# Altium PCB Main_PCB.PcbDoc (part 7 of 13) (continued)
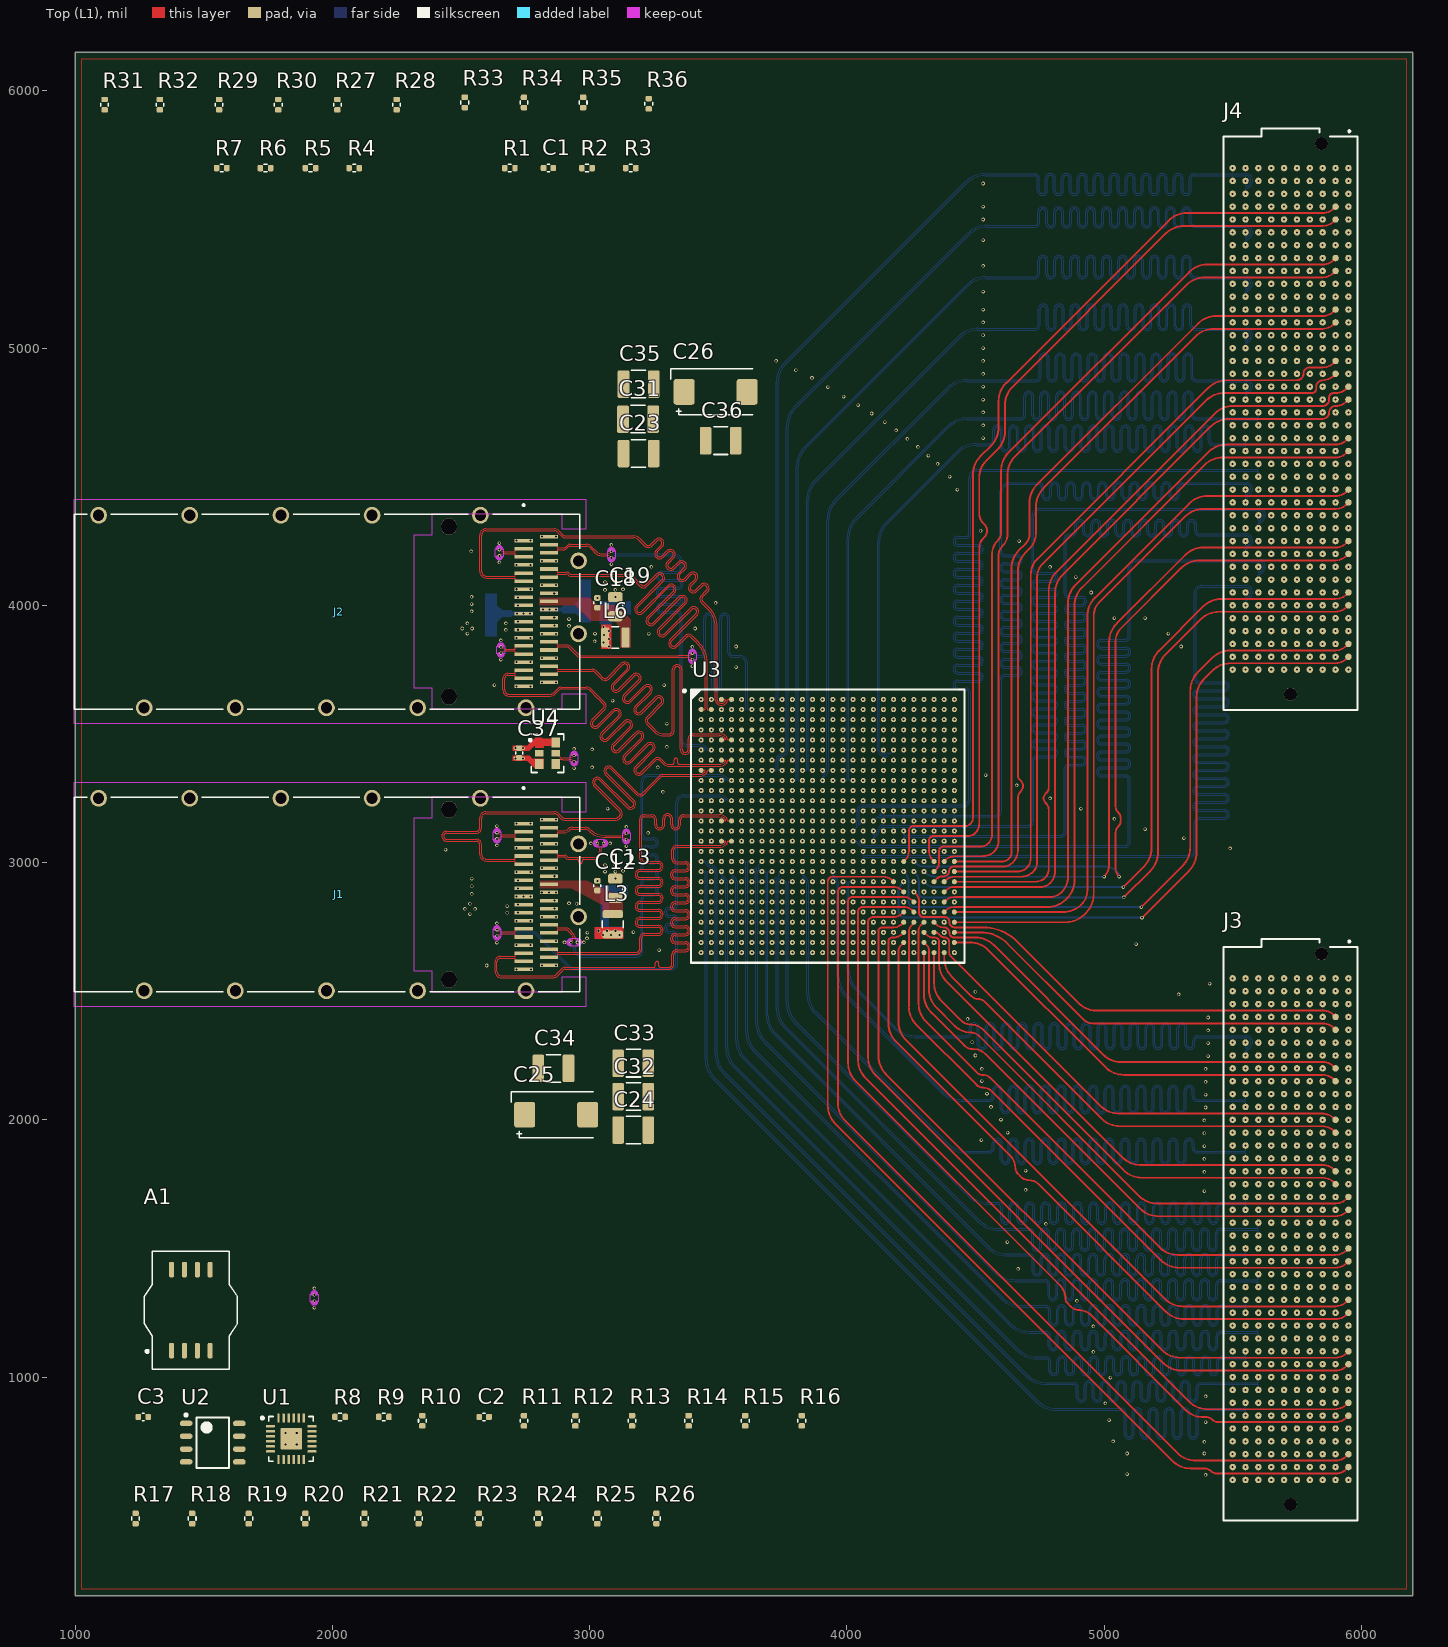
[diagram p0: Top (L1) view]
## Nets (pads, with @x,y where several pads share a name; then routed paths per layer and width w, separated by ;. In a path a pad name is that pad's centre, name@x,y a point inside that pad or via, vN(x,y) a via of type N, cw(c..) or ccw(c..) an arc to the next point about the centre after c; other vN are vias at no path point) (continued)
HPCC_B_02_N: J4.B25 U3.D20 | length 3974.1
  Int2 (L3) w3.5: 4173.44,3528.57 4166.98,3522.12 ccw(c4169.45,3519.64) 4165.95,3519.64 ccw(c4169.45,3519.64) 4166.98,3517.17 ccw(c4169.45,3519.64) 4169.45,3516.14 v1(4181.89,3516.14) ; 4173.45,3528.58 cw(c4180.5,3521.51) 4180.5,3531.5 4183.39,3531.5 ccw(c4183.39,3552.53) 4198.27,3537.66 4198.34,3537.73 ccw(c4181.06,3555.02) 4205.5,3555.02 4205.5,4389.08 cw(c4305.5,4389.08) 4234.79,4459.79 4266.31,4491.31 cw(c4337.02,4420.6) 4337.02,4520.6 4364,4520.6 4370.15,4520.6 ccw(c4370.15,4541.15) 4390.7,4541.15 4390.7,4593.62 cw(c4402.45,4593.62) 4414.2,4593.62 4414.2,4540.92 ccw(c4434.75,4540.92) 4455.3,4540.92 4455.3,4593.62 cw(c4467.05,4593.62) 4478.8,4593.62 4478.8,4540.92 ccw(c4499.35,4540.92) 4519.9,4540.92 4519.9,4593.62 cw(c4531.65,4593.62) 4543.4,4593.62 4543.4,4540.92 ccw(c4563.95,4540.92) 4584.5,4540.92 4584.5,4593.62 cw(c4596.25,4593.62) 4608,4593.62 4608,4540.92 ccw(c4628.55,4540.92) 4649.1,4540.92 4649.1,4593.62 cw(c4660.85,4593.62) 4672.6,4593.62 4672.6,4540.92 ccw(c4693.15,4540.92) 4713.7,4540.92 4713.7,4593.62 cw(c4725.45,4593.62) 4737.2,4593.62 4737.2,4540.92 ccw(c4757.75,4540.92) 4778.3,4540.92 4778.3,4593.62 cw(c4790.05,4593.62) 4801.8,4593.62 4801.8,4540.92 ccw(c4822.35,4540.92) 4842.9,4540.92 4842.9,4593.62 cw(c4854.65,4593.62) 4866.4,4593.62 4866.4,4540.92 ccw(c4886.95,4540.92) 4907.5,4540.92 4907.5,4593.62 cw(c4919.25,4593.62) 4931,4593.62 4931,4541.15 ccw(c4951.55,4541.15) 4951.55,4520.6 4979,4520.6 5896.5,4520.6 cw(c5896.5,4517.1) 5898.97,4519.57 cw(c5896.5,4517.1) 5900,4517.1 v1(5900,4500)
HPCC_B_02_P: J4.B24 U3.D19 | length 3988.3
  Int2 (L3) w3.5: v1(4142.52,3516.14) 4154.95,3516.14 ccw(c4154.95,3519.64) 4157.43,3517.17 ccw(c4154.95,3519.64) 4158.45,3519.64 ; 4158.45,3519.68 cw(c4169.36,3519.68) 4161.65,3527.39 4168.15,3533.89 cw(c4180.48,3521.56) 4180.48,3539 4183.34,3539 ccw(c4183.34,3552.66) 4193,3543 ccw(c4180.93,3555.07) 4198,3555.07 4198,3655 cw(c4201.14,3658.14) 4196.7,3658.14 4196.7,4389.08 cw(c4305.5,4389.08) 4228.57,4466.01 4260.09,4497.53 cw(c4337.02,4420.6) 4337.02,4529.4 4364,4529.4 4370.15,4529.4 ccw(c4370.15,4541.15) 4381.9,4541.15 4381.9,4593.62 cw(c4402.45,4593.62) 4423,4593.62 4423,4540.92 ccw(c4434.75,4540.92) 4446.5,4540.92 4446.5,4593.62 cw(c4467.05,4593.62) 4487.6,4593.62 4487.6,4540.92 ccw(c4499.35,4540.92) 4511.1,4540.92 4511.1,4593.62 cw(c4531.65,4593.62) 4552.2,4593.62 4552.2,4540.92 ccw(c4563.95,4540.92) 4575.7,4540.92 4575.7,4593.62 cw(c4596.25,4593.62) 4616.8,4593.62 4616.8,4540.92 ccw(c4628.55,4540.92) 4640.3,4540.92 4640.3,4593.62 cw(c4660.85,4593.62) 4681.4,4593.62 4681.4,4540.92 ccw(c4693.15,4540.92) 4704.9,4540.92 4704.9,4593.62 cw(c4725.45,4593.62) 4746,4593.62 4746,4540.92 ccw(c4757.75,4540.92) 4769.5,4540.92 4769.5,4593.62 cw(c4790.05,4593.62) 4810.6,4593.62 4810.6,4540.92 ccw(c4822.35,4540.92) 4834.1,4540.92 4834.1,4593.62 cw(c4854.65,4593.62) 4875.2,4593.62 4875.2,4540.92 ccw(c4886.95,4540.92) 4898.7,4540.92 4898.7,4593.62 cw(c4919.25,4593.62) 4939.8,4593.62 4939.8,4541.15 ccw(c4951.55,4541.15) 4951.55,4529.4 4979,4529.4 5896.5,4529.4 ccw(c5896.5,4532.9) 5898.97,4530.43 ccw(c5896.5,4532.9) 5900,4532.9 v1(5900,4550)
HPCC_B_03_N: J4.B29 U3.K26 | length 3960.6
  Int2 (L3) w3.5: v1(4418.11,3279.92) 4405.68,3279.92 cw(c4405.68,3283.42) 4403.2,3280.95 cw(c4405.68,3283.42) 4402.18,3283.42 cw(c4411.24,3283.42) 4404.83,3289.83 4407,3292 cw(c4414.24,3284.76) 4414.24,3295 4450.03,3295 ccw(c4450.03,3324.97) 4471.22,3303.78 4474.15,3306.71 ccw(c4450.86,3330) 4483.8,3330 4483.8,3651 4483.8,3657.15 ccw(c4463.25,3657.15) 4463.25,3677.7 4438.46,3677.7 cw(c4438.46,3689.45) 4438.46,3701.2 4504.15,3701.2 ccw(c4504.15,3721.75) 4504.15,3742.3 4438.46,3742.3 cw(c4438.46,3754.05) 4438.46,3765.8 4504.15,3765.8 ccw(c4504.15,3786.35) 4504.15,3806.9 4438.46,3806.9 cw(c4438.46,3818.65) 4438.46,3830.4 4504.15,3830.4 ccw(c4504.15,3850.95) 4504.15,3871.5 4438.46,3871.5 cw(c4438.46,3883.25) 4438.46,3895 4504.15,3895 ccw(c4504.15,3915.55) 4504.15,3936.1 4438.46,3936.1 cw(c4438.46,3947.85) 4438.46,3959.6 4504.15,3959.6 ccw(c4504.15,3980.15) 4504.15,4000.7 4438.46,4000.7 cw(c4438.46,4012.45) 4438.46,4024.2 4504.15,4024.2 ccw(c4504.15,4044.75) 4504.15,4065.3 4438.46,4065.3 cw(c4438.46,4077.05) 4438.46,4088.8 4504.15,4088.8 ccw(c4504.15,4109.35) 4504.15,4129.9 4438.46,4129.9 cw(c4438.46,4141.65) 4438.46,4153.4 4504.15,4153.4 ccw(c4504.15,4173.95) 4504.15,4194.5 4438.46,4194.5 cw(c4438.46,4206.25) 4438.46,4218 4463.25,4218 ccw(c4463.25,4238.55) 4483.8,4238.55 4483.8,4261 4483.8,4265.89 cw(c4539.11,4265.89) 4500,4305 cw(c4537.66,4267.34) 4537.66,4320.6 5896.5,4320.6 cw(c5896.5,4317.1) 5898.97,4319.57 cw(c5896.5,4317.1) 5900,4317.1 v1(5900,4300)
HPCC_B_03_P: J4.B28 U3.K25 | length 3972.7
  Int2 (L3) w3.5: v1(4378.74,3279.92) 4391.18,3279.92 ccw(c4391.18,3283.42) 4393.65,3280.95 ccw(c4391.18,3283.42) 4394.68,3283.42 ; 4394.68,3283.46 cw(c4411.14,3283.46) 4399.5,3295.11 4401.71,3297.32 cw(c4414.22,3284.81) 4414.22,3302.5 4435,3302.5 cw(c4438.14,3299.36) 4438.14,3303.8 4450.03,3303.8 ccw(c4450.03,3324.97) 4465,3310 4467.93,3312.93 ccw(c4450.86,3330) 4475,3330 4475,3651 4475,3657.15 ccw(c4463.25,3657.15) 4463.25,3668.9 4438.46,3668.9 cw(c4438.46,3689.45) 4438.46,3710 4504.15,3710 ccw(c4504.15,3721.75) 4504.15,3733.5 4438.46,3733.5 cw(c4438.46,3754.05) 4438.46,3774.6 4504.15,3774.6 ccw(c4504.15,3786.35) 4504.15,3798.1 4438.46,3798.1 cw(c4438.46,3818.65) 4438.46,3839.2 4504.15,3839.2 ccw(c4504.15,3850.95) 4504.15,3862.7 4438.46,3862.7 cw(c4438.46,3883.25) 4438.46,3903.8 4504.15,3903.8 ccw(c4504.15,3915.55) 4504.15,3927.3 4438.46,3927.3 cw(c4438.46,3947.85) 4438.46,3968.4 4504.15,3968.4 ccw(c4504.15,3980.15) 4504.15,3991.9 4438.46,3991.9 cw(c4438.46,4012.45) 4438.46,4033 4504.15,4033 ccw(c4504.15,4044.75) 4504.15,4056.5 4438.46,4056.5 cw(c4438.46,4077.05) 4438.46,4097.6 4504.15,4097.6 ccw(c4504.15,4109.35) 4504.15,4121.1 4438.46,4121.1 cw(c4438.46,4141.65) 4438.46,4162.2 4504.15,4162.2 ccw(c4504.15,4173.95) 4504.15,4185.7 4438.46,4185.7 cw(c4438.46,4206.25) 4438.46,4226.8 4463.25,4226.8 ccw(c4463.25,4238.55) 4475,4238.55 4475,4261 4475,4265.89 cw(c4539.11,4265.89) 4493.78,4311.22 cw(c4537.66,4267.34) 4537.66,4329.4 5896.5,4329.4 ccw(c5896.5,4332.9) 5898.97,4330.43 ccw(c5896.5,4332.9) 5900,4332.9 v1(5900,4350)
HPCC_B_04_N: J4.B33 U3.L25 | length 3992.6
  Int2 (L3) w3.5: v1(4378.74,3240.55) 4378.74,3228.12 ccw(c4382.24,3228.12) 4379.77,3225.64 ccw(c4382.24,3228.12) 4382.24,3224.62 4702,3224.62 ccw(c4702,3243) 4715,3230 4716.46,3231.46 ccw(c4707.93,3240) 4720,3240 4720,3537.08 4720,3562.45 cw(c4740.55,3562.45) 4740.55,3583 4798.45,3583 ccw(c4798.45,3594.75) 4798.45,3606.5 4738.22,3606.5 cw(c4738.22,3627.05) 4738.22,3647.6 4798.45,3647.6 ccw(c4798.45,3659.35) 4798.45,3671.1 4738.22,3671.1 cw(c4738.22,3691.65) 4738.22,3712.2 4798.45,3712.2 ccw(c4798.45,3723.95) 4798.45,3735.7 4738.22,3735.7 cw(c4738.22,3756.25) 4738.22,3776.8 4798.45,3776.8 ccw(c4798.45,3788.55) 4798.45,3800.3 4738.22,3800.3 cw(c4738.22,3820.85) 4738.22,3841.4 4798.45,3841.4 ccw(c4798.45,3853.15) 4798.45,3864.9 4738.22,3864.9 cw(c4738.22,3885.45) 4738.22,3906 4798.45,3906 ccw(c4798.45,3917.75) 4798.45,3929.5 4738.22,3929.5 cw(c4738.22,3950.05) 4738.22,3970.6 4798.45,3970.6 ccw(c4798.45,3982.35) 4798.45,3994.1 4738.22,3994.1 cw(c4738.22,4014.65) 4738.22,4035.2 4798.45,4035.2 ccw(c4798.45,4046.95) 4798.45,4058.7 4738.22,4058.7 cw(c4738.22,4079.25) 4738.22,4099.8 4798.45,4099.8 ccw(c4798.45,4111.55) 4798.45,4123.3 4740.55,4123.3 cw(c4740.55,4143.85) 4720,4143.85 4720,4150 ; 4720,4150.03 cw(c4749.97,4150.03) 4728.78,4171.22 cw(c4747.07,4152.93) 4747.07,4178.8 5902.93,4178.8 cw(c5902.93,4152.93) 5921.22,4171.22 cw(c5902.93,4152.93) 5928.8,4152.93 5928.8,4150 cw(c5904.66,4150) 5921.73,4132.93 5913.56,4124.76 cw(c5903.5,4134.84) 5903.5,4120.6 ccw(c5903.5,4117.1) 5901.03,4119.57 ccw(c5903.5,4117.1) 5900,4117.1 v1(5900,4100)
HPCC_B_04_P: J4.B32 U3.M25 | length 3965.3
  Int2 (L3) w3.5: v1(4378.74,3201.18) 4378.74,3213.62 cw(c4382.24,3213.62) 4379.77,3216.09 cw(c4382.24,3213.62) 4382.24,3217.12 4435,3217.12 ccw(c4438.14,3220.25) 4438.14,3215.82 4702,3215.82 ccw(c4702,3243) 4721.22,3223.78 4722.69,3225.24 ccw(c4707.93,3240) 4728.8,3240 4728.8,3537.08 4728.8,3562.45 cw(c4740.55,3562.45) 4740.55,3574.2 4798.45,3574.2 ccw(c4798.45,3594.75) 4798.45,3615.3 4738.22,3615.3 cw(c4738.22,3627.05) 4738.22,3638.8 4798.45,3638.8 ccw(c4798.45,3659.35) 4798.45,3679.9 4738.22,3679.9 cw(c4738.22,3691.65) 4738.22,3703.4 4798.45,3703.4 ccw(c4798.45,3723.95) 4798.45,3744.5 4738.22,3744.5 cw(c4738.22,3756.25) 4738.22,3768 4798.45,3768 ccw(c4798.45,3788.55) 4798.45,3809.1 4738.22,3809.1 cw(c4738.22,3820.85) 4738.22,3832.6 4798.45,3832.6 ccw(c4798.45,3853.15) 4798.45,3873.7 4738.22,3873.7 cw(c4738.22,3885.45) 4738.22,3897.2 4798.45,3897.2 ccw(c4798.45,3917.75) 4798.45,3938.3 4738.22,3938.3 cw(c4738.22,3950.05) 4738.22,3961.8 4798.45,3961.8 ccw(c4798.45,3982.35) 4798.45,4002.9 4738.22,4002.9 cw(c4738.22,4014.65) 4738.22,4026.4 4798.45,4026.4 ccw(c4798.45,4046.95) 4798.45,4067.5 4738.22,4067.5 cw(c4738.22,4079.25) 4738.22,4091 4798.45,4091 ccw(c4798.45,4111.55) 4798.45,4132.1 4740.55,4132.1 cw(c4740.55,4143.85) 4728.8,4143.85 4728.8,4150 ; 4728.8,4150.03 cw(c4749.97,4150.03) 4735,4165 cw(c4747.07,4152.93) 4747.07,4170 5902.93,4170 cw(c5902.93,4152.93) 5915,4165 cw(c5902.93,4152.93) 5920,4152.93 5920,4150 cw(c5904.66,4150) 5915.51,4139.15 5907.34,4130.99 cw(c5903.5,4134.84) 5903.5,4129.4 cw(c5903.5,4132.9) 5901.03,4130.43 cw(c5903.5,4132.9) 5900,4132.9 v1(5900,4150)
HPCC_B_05_N: J4.B37 U3.P25 | length 3999.1
  Int2 (L3) w3.5: v1(4378.74,3122.44) 4378.74,3110.01 ccw(c4382.24,3110.01) 4379.77,3107.53 ccw(c4382.24,3110.01) 4382.24,3106.51 ccw(c4382.24,3110.01) 4384.71,3107.53 4390.33,3113.15 ccw(c4381.48,3122) 4394,3122 4394,3123.61 cw(c4413.31,3123.61) 4399.65,3137.26 4402.12,3139.72 4402.18,3139.79 cw(c4416.11,3125.66) 4415.23,3145.48 4415.58,3145.5 ccw(c4415.43,3148.99) 4415.78,3145.51 cw(c4418.11,3122.44) 4420.38,3145.52 ccw(c4420.72,3149) 4420.72,3145.5 4954.14,3145.5 ccw(c4954.14,3160.86) 4965,3150 ccw(c4952.93,3162.07) 4970,3162.07 4970,3259 4970,3297.45 cw(c4990.55,3297.45) 4990.55,3318 5052.77,3318 ccw(c5052.77,3329.75) 5052.77,3341.5 4986.55,3341.5 cw(c4986.55,3362.05) 4986.55,3382.6 5052.77,3382.6 ccw(c5052.77,3394.35) 5052.77,3406.1 4986.55,3406.1 cw(c4986.55,3426.65) 4986.55,3447.2 5052.77,3447.2 ccw(c5052.77,3458.95) 5052.77,3470.7 4986.55,3470.7 cw(c4986.55,3491.25) 4986.55,3511.8 5052.77,3511.8 ccw(c5052.77,3523.55) 5052.77,3535.3 4986.55,3535.3 cw(c4986.55,3555.85) 4986.55,3576.4 5052.77,3576.4 ccw(c5052.77,3588.15) 5052.77,3599.9 4986.55,3599.9 cw(c4986.55,3620.45) 4986.55,3641 5052.77,3641 ccw(c5052.77,3652.75) 5052.77,3664.5 4986.55,3664.5 cw(c4986.55,3685.05) 4986.55,3705.6 5052.77,3705.6 ccw(c5052.77,3717.35) 5052.77,3729.1 4986.55,3729.1 cw(c4986.55,3749.65) 4986.55,3770.2 5052.77,3770.2 ccw(c5052.77,3781.95) 5052.77,3793.7 4986.55,3793.7 cw(c4986.55,3814.25) 4986.55,3834.8 5052.77,3834.8 ccw(c5052.77,3846.55) 5052.77,3858.3 4990.55,3858.3 cw(c4990.55,3878.85) 4970,3878.85 4970,3944 4970,3950.03 cw(c4999.97,3950.03) 4978.78,3971.22 cw(c4997.07,3952.93) 4997.07,3978.8 5902.93,3978.8 cw(c5902.93,3952.93) 5921.22,3971.22 cw(c5902.93,3952.93) 5928.8,3952.93 5928.8,3950 cw(c5904.66,3950) 5921.73,3932.93 5913.56,3924.76 cw(c5903.5,3934.84) 5903.5,3920.6 ccw(c5903.5,3917.1) 5901.03,3919.57 ccw(c5903.5,3917.1) 5900,3917.1 v1(5900,3900)
HPCC_B_05_P: J4.B36 U3.R25 | length 3971.8
  Int2 (L3) w3.5: v1(4378.74,3083.07) 4378.74,3095.51 cw(c4382.24,3095.51) 4379.77,3097.98 cw(c4382.24,3095.51) 4382.24,3099.01 ; 4382.28,3099.01 ccw(c4382.28,3109.91) 4389.99,3102.2 4395.65,3107.86 ccw(c4381.54,3121.98) 4401.5,3121.98 4401.5,3123.55 cw(c4413.45,3123.55) 4405,3132 4407.39,3134.39 cw(c4416.11,3125.66) 4416.11,3138 cw(c4418.11,3122.44) 4419.65,3138.05 ccw(c4420.72,3149) 4420.72,3138 4435,3138 ccw(c4438.14,3141.14) 4438.14,3136.7 4954.14,3136.7 ccw(c4954.14,3160.86) 4971.22,3143.78 ccw(c4952.93,3162.07) 4978.8,3162.07 4978.8,3259 4978.8,3297.45 cw(c4990.55,3297.45) 4990.55,3309.2 5052.77,3309.2 ccw(c5052.77,3329.75) 5052.77,3350.3 4986.55,3350.3 cw(c4986.55,3362.05) 4986.55,3373.8 5052.77,3373.8 ccw(c5052.77,3394.35) 5052.77,3414.9 4986.55,3414.9 cw(c4986.55,3426.65) 4986.55,3438.4 5052.77,3438.4 ccw(c5052.77,3458.95) 5052.77,3479.5 4986.55,3479.5 cw(c4986.55,3491.25) 4986.55,3503 5052.77,3503 ccw(c5052.77,3523.55) 5052.77,3544.1 4986.55,3544.1 cw(c4986.55,3555.85) 4986.55,3567.6 5052.77,3567.6 ccw(c5052.77,3588.15) 5052.77,3608.7 4986.55,3608.7 cw(c4986.55,3620.45) 4986.55,3632.2 5052.77,3632.2 ccw(c5052.77,3652.75) 5052.77,3673.3 4986.55,3673.3 cw(c4986.55,3685.05) 4986.55,3696.8 5052.77,3696.8 ccw(c5052.77,3717.35) 5052.77,3737.9 4986.55,3737.9 cw(c4986.55,3749.65) 4986.55,3761.4 5052.77,3761.4 ccw(c5052.77,3781.95) 5052.77,3802.5 4986.55,3802.5 cw(c4986.55,3814.25) 4986.55,3826 5052.77,3826 ccw(c5052.77,3846.55) 5052.77,3867.1 4990.55,3867.1 cw(c4990.55,3878.85) 4978.8,3878.85 4978.8,3944 4978.8,3950.03 cw(c4999.97,3950.03) 4985,3965 cw(c4997.07,3952.93) 4997.07,3970 5902.93,3970 cw(c5902.93,3952.93) 5915,3965 cw(c5902.93,3952.93) 5920,3952.93 5920,3950 cw(c5904.66,3950) 5915.51,3939.15 5907.34,3930.99 cw(c5903.5,3934.84) 5903.5,3929.4 cw(c5903.5,3932.9) 5901.03,3930.43 cw(c5903.5,3932.9) 5900,3932.9 v1(5900,3950)
HPCC_B_06_N: J4.C3 U3.B9 | length 3994.6
  Int2 (L3) w3.5: v1(3748.82,3594.88) 3748.82,3582.45 ccw(c3752.32,3582.45) 3749.84,3579.97 ccw(c3752.32,3582.45) 3752.32,3578.95 ccw(c3752.32,3582.45) 3754.79,3579.97 ccw(c3730.15,3604.61) 3765,3604.61 3765,4935 cw(c3813.28,4935) 3779.11,4969.11 ; 3779.14,4969.14 4469.29,5659.29 cw(c4516.42,5612.12) 4516.42,5678.8 4690,5678.8 4728.45,5678.8 cw(c4728.45,5658.25) 4749,5658.25 4749,5651.07 ccw(c4760.75,5651.07) 4772.5,5651.07 4772.5,5659.81 cw(c4793.05,5659.81) 4813.6,5659.81 4813.6,5651.07 ccw(c4825.35,5651.07) 4837.1,5651.07 4837.1,5658.25 cw(c4857.65,5658.25) 4857.65,5678.8 4881.62,5678.8 5852.93,5678.8 cw(c5852.93,5652.93) 5871.22,5671.22 cw(c5852.93,5652.93) 5878.8,5652.93 5878.8,5650 cw(c5854.66,5650) 5871.73,5632.93 5863.56,5624.76 cw(c5853.5,5634.84) 5853.5,5620.6 ccw(c5853.5,5617.1) 5851.03,5619.57 ccw(c5853.5,5617.1) 5850,5617.1 v1(5850,5600)
HPCC_B_06_P: J4.C2 U3.C9 | length 3965.3
  Int2 (L3) w3.5: v1(3748.82,3555.51) 3748.82,3567.95 cw(c3752.32,3567.95) 3749.84,3570.42 cw(c3752.32,3567.95) 3752.32,3571.45 ; 3752.36,3571.45 ccw(c3752.36,3582.35) 3760.07,3574.64 3760.15,3574.72 ccw(c3730.33,3604.54) 3772.5,3604.54 3772.5,3655 ccw(c3769.36,3658.14) 3773.8,3658.14 3773.8,4935 cw(c3813.28,4935) 3785.33,4962.89 ; 3785.39,4962.95 4475.51,5653.07 cw(c4516.42,5612.12) 4516.42,5670 4690,5670 4728.45,5670 cw(c4728.45,5658.25) 4740.2,5658.25 4740.2,5651.07 ccw(c4760.75,5651.07) 4781.3,5651.07 4781.3,5659.81 cw(c4793.05,5659.81) 4804.8,5659.81 4804.8,5651.07 ccw(c4825.35,5651.07) 4845.9,5651.07 4845.9,5658.25 cw(c4857.65,5658.25) 4857.65,5670 4881.62,5670 5852.93,5670 cw(c5852.93,5652.93) 5865,5665 cw(c5852.93,5652.93) 5870,5652.93 5870,5650 cw(c5854.66,5650) 5865.51,5639.15 5857.34,5630.99 cw(c5853.5,5634.84) 5853.5,5629.4 cw(c5853.5,5632.9) 5851.03,5630.43 cw(c5853.5,5632.9) 5850,5632.9 v1(5850,5650)
HPCC_B_07_N: J4.C7 U3.B11 | length 3991.5
  Int2 (L3) w3.5: v1(3827.56,3594.88) 3839.99,3594.88 ccw(c3839.99,3598.38) 3842.47,3595.91 ccw(c3839.99,3598.38) 3843.49,3598.38 3843.49,4775.87 cw(c3952.29,4775.87) 3875.36,4852.81 4469.49,5446.93 cw(c4546.42,5370) 4546.42,5478.8 4921.76,5478.8 4927.91,5478.8 ccw(c4927.91,5490.55) 4939.66,5490.55 4939.66,5504.02 cw(c4960.21,5504.02) 4980.76,5504.02 4980.76,5484.12 ccw(c4992.51,5484.12) 5004.26,5484.12 5004.26,5504.02 cw(c5024.81,5504.02) 5045.36,5504.02 5045.36,5484.12 ccw(c5057.11,5484.12) 5068.86,5484.12 5068.86,5504.02 cw(c5089.41,5504.02) 5109.96,5504.02 5109.96,5484.12 ccw(c5121.71,5484.12) 5133.46,5484.12 5133.46,5504.02 cw(c5154.01,5504.02) 5174.56,5504.02 5174.56,5484.12 ccw(c5186.31,5484.12) 5198.06,5484.12 5198.06,5504.02 cw(c5218.61,5504.02) 5239.16,5504.02 5239.16,5490.55 ccw(c5250.91,5490.55) 5250.91,5478.8 5283.53,5478.8 5852.93,5478.8 cw(c5852.93,5452.93) 5871.22,5471.22 cw(c5852.93,5452.93) 5878.8,5452.93 5878.8,5450 cw(c5854.66,5450) 5871.73,5432.93 5863.56,5424.76 cw(c5853.5,5434.84) 5853.5,5420.6 ccw(c5853.5,5417.1) 5851.03,5419.57 ccw(c5853.5,5417.1) 5850,5417.1 v1(5850,5400)
HPCC_B_07_P: J4.C6 U3.B12 | length 3950.3
  Int2 (L3) w3.5: v1(3866.93,3594.88) 3854.49,3594.88 cw(c3854.49,3598.38) 3852.02,3595.91 cw(c3854.49,3598.38) 3850.99,3598.38 3850.99,3655 ccw(c3847.86,3658.14) 3852.29,3658.14 3852.29,4775.87 cw(c3952.29,4775.87) 3881.58,4846.58 4475.71,5440.71 cw(c4546.42,5370) 4546.42,5470 4921.76,5470 4927.91,5470 ccw(c4927.91,5490.55) 4948.46,5490.55 4948.46,5504.02 cw(c4960.21,5504.02) 4971.96,5504.02 4971.96,5484.12 ccw(c4992.51,5484.12) 5013.06,5484.12 5013.06,5504.02 cw(c5024.81,5504.02) 5036.56,5504.02 5036.56,5484.12 ccw(c5057.11,5484.12) 5077.66,5484.12 5077.66,5504.02 cw(c5089.41,5504.02) 5101.16,5504.02 5101.16,5484.12 ccw(c5121.71,5484.12) 5142.26,5484.12 5142.26,5504.02 cw(c5154.01,5504.02) 5165.76,5504.02 5165.76,5484.12 ccw(c5186.31,5484.12) 5206.86,5484.12 5206.86,5504.02 cw(c5218.61,5504.02) 5230.36,5504.02 5230.36,5490.55 ccw(c5250.91,5490.55) 5250.91,5470 5283.53,5470 5852.93,5470 cw(c5852.93,5452.93) 5865,5465 cw(c5852.93,5452.93) 5870,5452.93 5870,5450 cw(c5854.66,5450) 5865.51,5439.15 5857.34,5430.99 cw(c5853.5,5434.84) 5853.5,5429.4 cw(c5853.5,5432.9) 5851.03,5430.43 cw(c5853.5,5432.9) 5850,5432.9 v1(5850,5450)
HPCC_B_08_N: J4.C11 U3.C13 | length 3991.5
  Int2 (L3) w3.5: v1(3906.3,3555.51) 3918.73,3555.51 ccw(c3918.73,3559.01) 3921.21,3556.54 ccw(c3918.73,3559.01) 3922.23,3559.01 3922.23,4659.61 cw(c4031.03,4659.61) 3954.1,4736.55 4464.49,5246.93 cw(c4541.42,5170) 4541.42,5278.8 4853.61,5278.8 4859.77,5278.8 ccw(c4859.77,5290.55) 4871.52,5290.55 4871.52,5310.14 cw(c4892.07,5310.14) 4912.62,5310.14 4912.62,5288.18 ccw(c4924.37,5288.18) 4936.12,5288.18 4936.12,5310.14 cw(c4956.67,5310.14) 4977.22,5310.14 4977.22,5288.18 ccw(c4988.97,5288.18) 5000.72,5288.18 5000.72,5310.14 cw(c5021.27,5310.14) 5041.82,5310.14 5041.82,5288.18 ccw(c5053.57,5288.18) 5065.32,5288.18 5065.32,5310.14 cw(c5085.87,5310.14) 5106.42,5310.14 5106.42,5288.18 ccw(c5118.17,5288.18) 5129.92,5288.18 5129.92,5310.14 cw(c5150.47,5310.14) 5171.02,5310.14 5171.02,5288.18 ccw(c5182.77,5288.18) 5194.52,5288.18 5194.52,5310.14 cw(c5215.07,5310.14) 5235.62,5310.14 5235.62,5288.18 ccw(c5247.37,5288.18) 5259.12,5288.18 5259.12,5310.14 cw(c5279.67,5310.14) 5300.22,5310.14 5300.22,5290.55 ccw(c5311.97,5290.55) 5311.97,5278.8 5339,5278.8 5852.93,5278.8 cw(c5852.93,5252.93) 5871.22,5271.22 cw(c5852.93,5252.93) 5878.8,5252.93 5878.8,5250 cw(c5854.66,5250) 5871.73,5232.93 5863.56,5224.76 cw(c5853.5,5234.84) 5853.5,5220.6 ccw(c5853.5,5217.1) 5851.03,5219.57 ccw(c5853.5,5217.1) 5850,5217.1 v1(5850,5200)
HPCC_B_08_P: J4.C10 U3.C14 | length 3950.3
  Int2 (L3) w3.5: v1(3945.67,3555.51) 3933.23,3555.51 cw(c3933.23,3559.01) 3930.76,3556.54 cw(c3933.23,3559.01) 3929.73,3559.01 3929.73,3655 ccw(c3926.6,3658.14) 3931.03,3658.14 3931.03,4659.61 cw(c4031.03,4659.61) 3960.32,4730.32 4470.71,5240.71 cw(c4541.42,5170) 4541.42,5270 4853.61,5270 4859.77,5270 ccw(c4859.77,5290.55) 4880.32,5290.55 4880.32,5310.14 cw(c4892.07,5310.14) 4903.82,5310.14 4903.82,5288.18 ccw(c4924.37,5288.18) 4944.92,5288.18 4944.92,5310.14 cw(c4956.67,5310.14) 4968.42,5310.14 4968.42,5288.18 ccw(c4988.97,5288.18) 5009.52,5288.18 5009.52,5310.14 cw(c5021.27,5310.14) 5033.02,5310.14 5033.02,5288.18 ccw(c5053.57,5288.18) 5074.12,5288.18 5074.12,5310.14 cw(c5085.87,5310.14) 5097.62,5310.14 5097.62,5288.18 ccw(c5118.17,5288.18) 5138.72,5288.18 5138.72,5310.14 cw(c5150.47,5310.14) 5162.22,5310.14 5162.22,5288.18 ccw(c5182.77,5288.18) 5203.32,5288.18 5203.32,5310.14 cw(c5215.07,5310.14) 5226.82,5310.14 5226.82,5288.18 ccw(c5247.37,5288.18) 5267.92,5288.18 5267.92,5310.14 cw(c5279.67,5310.14) 5291.42,5310.14 5291.42,5290.55 ccw(c5311.97,5290.55) 5311.97,5270 5339,5270 5852.93,5270 cw(c5852.93,5252.93) 5865,5265 cw(c5852.93,5252.93) 5870,5252.93 5870,5250 cw(c5854.66,5250) 5865.51,5239.15 5857.34,5230.99 cw(c5853.5,5234.84) 5853.5,5229.4 cw(c5853.5,5232.9) 5851.03,5230.43 cw(c5853.5,5232.9) 5850,5232.9 v1(5850,5250)
HPCC_B_09_N: J4.C15 U3.A15 | length 3997.4
  Int2 (L3) w3.5: v1(3985.04,3634.25) 3985.04,3621.82 ccw(c3988.54,3621.82) 3986.06,3619.34 ccw(c3988.54,3621.82) 3988.54,3618.32 ccw(c3988.54,3625.02) 3993.28,3620.28 3996,3623 ccw(c3986.34,3632.66) 4000,3632.66 4000,4566.67 cw(c4108.8,4566.67) 4031.87,4643.61 4435.19,5046.93 cw(c4512.13,4970) 4512.13,5078.8 4788.89,5078.8 4795.04,5078.8 ccw(c4795.04,5090.55) 4806.79,5090.55 4806.79,5120.51 cw(c4827.34,5120.51) 4847.89,5120.51 4847.89,5086.17 ccw(c4859.64,5086.17) 4871.39,5086.17 4871.39,5120.51 cw(c4891.94,5120.51) 4912.49,5120.51 4912.49,5086.17 ccw(c4924.24,5086.17) 4935.99,5086.17 4935.99,5120.51 cw(c4956.54,5120.51) 4977.09,5120.51 4977.09,5086.17 ccw(c4988.84,5086.17) 5000.59,5086.17 5000.59,5120.51 cw(c5021.14,5120.51) 5041.69,5120.51 5041.69,5086.17 ccw(c5053.44,5086.17) 5065.19,5086.17 5065.19,5120.51 cw(c5085.74,5120.51) 5106.29,5120.51 5106.29,5086.17 ccw(c5118.04,5086.17) 5129.79,5086.17 5129.79,5120.51 cw(c5150.34,5120.51) 5170.89,5120.51 5170.89,5086.17 ccw(c5182.64,5086.17) 5194.39,5086.17 5194.39,5120.51 cw(c5214.94,5120.51) 5235.49,5120.51 5235.49,5086.17 ccw(c5247.24,5086.17) 5258.99,5086.17 5258.99,5120.51 cw(c5279.54,5120.51) 5300.09,5120.51 5300.09,5090.55 ccw(c5311.84,5090.55) 5311.84,5078.8 5344.95,5078.8 5852.93,5078.8 cw(c5852.93,5052.93) 5871.22,5071.22 cw(c5852.93,5052.93) 5878.8,5052.93 5878.8,5050 cw(c5854.66,5050) 5871.73,5032.93 5863.56,5024.76 cw(c5853.5,5034.84) 5853.5,5020.6 ccw(c5853.5,5017.1) 5851.03,5019.57 ccw(c5853.5,5017.1) 5850,5017.1 v1(5850,5000)
HPCC_B_09_P: J4.C14 U3.B15 | length 3968.1
  Int2 (L3) w3.5: v1(3985.04,3594.88) 3985.04,3607.32 cw(c3988.54,3607.32) 3986.06,3609.79 cw(c3988.54,3607.32) 3988.54,3610.82 ; 3988.58,3610.82 ccw(c3988.58,3624.92) 3998.55,3614.95 4001.34,3617.73 ccw(c3986.47,3632.61) 4007.5,3632.61 4007.5,3655 ccw(c4004.36,3658.14) 4008.8,3658.14 4008.8,4566.67 cw(c4108.8,4566.67) 4038.09,4637.38 4441.42,5040.71 cw(c4512.13,4970) 4512.13,5070 4788.89,5070 4795.04,5070 ccw(c4795.04,5090.55) 4815.59,5090.55 4815.59,5120.51 cw(c4827.34,5120.51) 4839.09,5120.51 4839.09,5086.17 ccw(c4859.64,5086.17) 4880.19,5086.17 4880.19,5120.51 cw(c4891.94,5120.51) 4903.69,5120.51 4903.69,5086.17 ccw(c4924.24,5086.17) 4944.79,5086.17 4944.79,5120.51 cw(c4956.54,5120.51) 4968.29,5120.51 4968.29,5086.17 ccw(c4988.84,5086.17) 5009.39,5086.17 5009.39,5120.51 cw(c5021.14,5120.51) 5032.89,5120.51 5032.89,5086.17 ccw(c5053.44,5086.17) 5073.99,5086.17 5073.99,5120.51 cw(c5085.74,5120.51) 5097.49,5120.51 5097.49,5086.17 ccw(c5118.04,5086.17) 5138.59,5086.17 5138.59,5120.51 cw(c5150.34,5120.51) 5162.09,5120.51 5162.09,5086.17 ccw(c5182.64,5086.17) 5203.19,5086.17 5203.19,5120.51 cw(c5214.94,5120.51) 5226.69,5120.51 5226.69,5086.17 ccw(c5247.24,5086.17) 5267.79,5086.17 5267.79,5120.51 cw(c5279.54,5120.51) 5291.29,5120.51 5291.29,5090.55 ccw(c5311.84,5090.55) 5311.84,5070 5344.95,5070 5852.93,5070 cw(c5852.93,5052.93) 5865,5065 cw(c5852.93,5052.93) 5870,5052.93 5870,5050 cw(c5854.66,5050) 5865.51,5039.15 5857.34,5030.99 cw(c5853.5,5034.84) 5853.5,5029.4 cw(c5853.5,5032.9) 5851.03,5030.43 cw(c5853.5,5032.9) 5850,5032.9 v1(5850,5050)
HPCC_B_10_N: J4.C19 U3.A17 | length 3995.7
  Int2 (L3) w3.5: v1(4063.78,3634.25) 4063.78,3621.82 ccw(c4067.28,3621.82) 4064.8,3619.34 ccw(c4067.28,3621.82) 4067.28,3618.32 ccw(c4067.28,3625.65) 4072.46,3620.46 4075,3623 ccw(c4063.06,3635.02) 4079.96,3633.8 ccw(c4076.46,3634.03) 4079.96,3634.04 cw(c4103.15,3634.25) 4080,3635.5 ccw(c4076.5,3635.66) 4080,3635.64 4080,4492.38 cw(c4188.8,4492.38) 4111.87,4569.31 4389.49,4846.93 cw(c4466.42,4770) 4466.42,4878.8 4727.99,4878.8 4734.14,4878.8 ccw(c4734.14,4890.55) 4745.89,4890.55 4745.89,4929.61 cw(c4766.44,4929.61) 4786.99,4929.61 4786.99,4890.24 ccw(c4798.74,4890.24) 4810.49,4890.24 4810.49,4929.61 cw(c4831.04,4929.61) 4851.59,4929.61 4851.59,4890.24 ccw(c4863.34,4890.24) 4875.09,4890.24 4875.09,4929.61 cw(c4895.64,4929.61) 4916.19,4929.61 4916.19,4890.24 ccw(c4927.94,4890.24) 4939.69,4890.24 4939.69,4929.61 cw(c4960.24,4929.61) 4980.79,4929.61 4980.79,4890.24 ccw(c4992.54,4890.24) 5004.29,4890.24 5004.29,4929.61 cw(c5024.84,4929.61) 5045.39,4929.61 5045.39,4890.24 ccw(c5057.14,4890.24) 5068.89,4890.24 5068.89,4929.61 cw(c5089.44,4929.61) 5109.99,4929.61 5109.99,4890.24 ccw(c5121.74,4890.24) 5133.49,4890.24 5133.49,4929.61 cw(c5154.04,4929.61) 5174.59,4929.61 5174.59,4890.24 ccw(c5186.34,4890.24) 5198.09,4890.24 5198.09,4929.61 cw(c5218.64,4929.61) 5239.19,4929.61 5239.19,4890.24 ccw(c5250.94,4890.24) 5262.69,4890.24 5262.69,4929.61 cw(c5283.24,4929.61) 5303.79,4929.61 5303.79,4890.55 ccw(c5315.54,4890.55) 5315.54,4878.8 5345,4878.8 5852.93,4878.8 cw(c5852.93,4852.93) 5871.22,4871.22 cw(c5852.93,4852.93) 5878.8,4852.93 5878.8,4850 cw(c5854.66,4850) 5871.73,4832.93 5863.56,4824.76 cw(c5853.5,4834.84) 5853.5,4820.6 ccw(c5853.5,4817.1) 5851.03,4819.57 ccw(c5853.5,4817.1) 5850,4817.1 v1(5850,4800)